# Altium PCB PCB2.PcbDoc (part 2 of 4)
Units mil, origin at the board's own origin, x right, y up, seen from the top; angles counter-clockwise.
Board outline 8413.39 x 5625.98 mil, 6 copper layers (Top Layer, GND1, Misc, Power, GND2, Bottom Layer), stack 60.93 mil thick; 263 components, 224 nets, 1651 pads, 1073 vias.
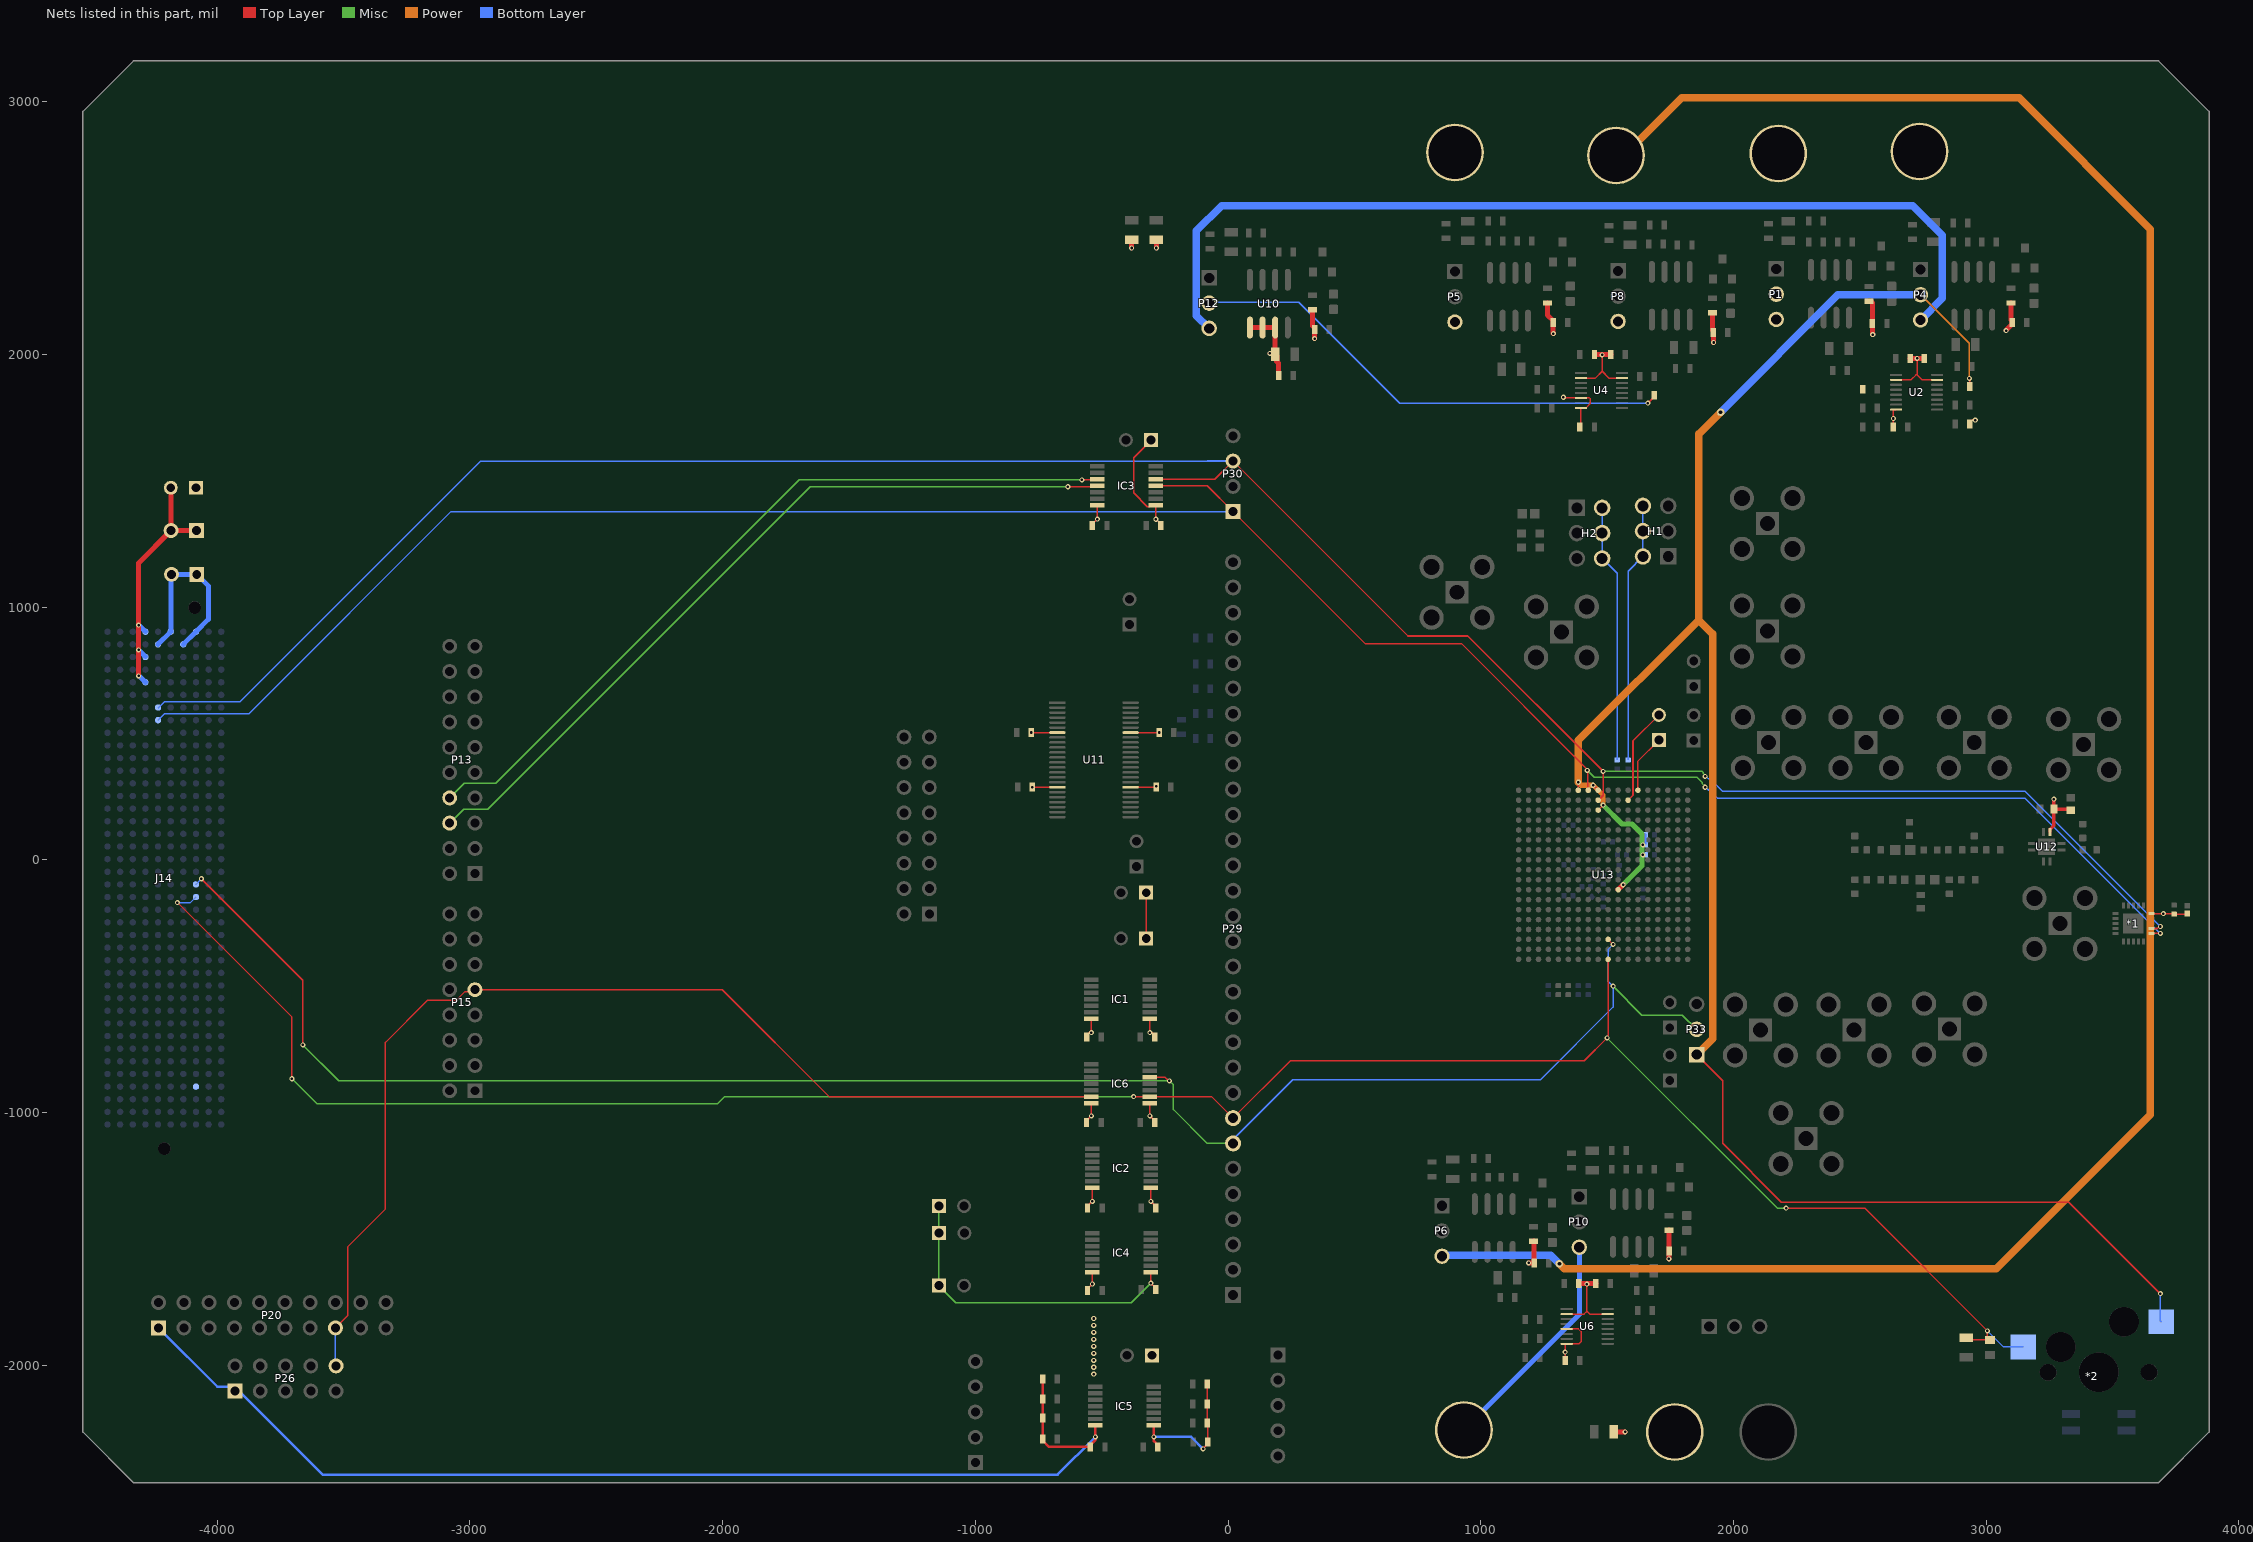
[diagram p6: the nets of this part, all layers, seen from the top]

## Part data
*1: library part CMP-005-000000-2, "Absorptive SPDT, SMT Solid State", Manufacturer=Mini-Circuits, Design Item ID=HSWA2-63DR+, Manufacturer Part Number=HSWA2-63DR+, Pricing 1="1=5.16000, 10=4.61000, 50=4.15000, 100=3.72000, 1000=2.18000, 10000=2.18000 (USD)", RoHS=Yes, RoHS Compliant=Yes, Source=Schlib1.SchLib, Stock 1=1789, U10=HSWA2-63DR+
*2: library part CMP-00028-00007-1
C1 C2 C3 C4 C5 C6 C7 C8 C9 C10 C11 C12 C16 C17 C18 C19 C20 C21 C22 C26 C27 C28 C29 C30 C34 C35 C36 C37 C38 C42 C43 C44 C45 C46 C50 C51 C52 C53 C54 C55 C56 C57 C58 C59 C60 C61 C62 C63 C64 C65 C66 C67 C68 C69 C70 C71 C72 C73 C74 C75 C81: "Capacitor", LatestRevisionDate=17-Jul-2002, LatestRevisionNote="Re-released for DXP Platform.", PackageDescription="Radial Cap, Thru-Hole; 2 Leads; 0.3 in Pin Spacing", PackageReference=RAD-0.3, Published=8-Jun-2000, Publisher="Altium Limited"
C13 C23 C31 C39 C47: library part CMP-001-00061-3, "Chip Capacitor, 100nF +/-20%, 10V, 0402, Thickness 0.6 mm", Case/Package=0402, Max Operating Temperature=85°C, Min Operating Temperature=-55°C, Tolerance=20%, Voltage Rating=10V, Mounting Technology=SMT, Pins=2
C14 C24 C32 C40 C48: library part CMP-001-00063-3, "Chip Capacitor, 1µF +/-20%, 10V, 0402, Thickness 0.6 mm", Case/Package=0402, Max Operating Temperature=85°C, Min Operating Temperature=-55°C, Tolerance=10%, Voltage Rating=10V, Mounting Technology=SMT, Pins=2
C15 C25 C33 C41 C49: library part CMP-001-00074-3, "Chip Capacitor, 10µF +/-40%, 6.3V, 0402, Thickness 0.6 mm", Case/Package=0402, Max Operating Temperature=85°C, Min Operating Temperature=-55°C, Tolerance=10%, Voltage Rating=6.3V, Mounting Technology=SMT, Pins=2
C76: library part CMP-001-00001-6, "Chip Capacitor, 0.1 uF, +/- 5%, 16 V, 0402 (1005 Metric)", Capacitor Type=Ceramic, Case/Package=0402, Max Operating Temperature=125°C, Min Operating Temperature=-55°C, Tolerance=5%, Voltage Rating=16V, Mounting Technology=SM, Pins=2, RoHS Compliant=True
C77: library part CMP-001-00073-3, "Chip Capacitor, 22pF +/-10%, 50V, 0402, Thickness 0.6 mm", Case/Package=0402, Max Operating Temperature=85°C, Min Operating Temperature=-55°C, Tolerance=10%, Voltage Rating=50V, Mounting Technology=SMT, Pins=2
C78: library part CMP-2000-06091-2, "Cap Ceramic 1nF 50V X7R ±10% Pad SMD 0603 +125°C T/R", Case Code (Imperial)=0603, Case Code (Metric)=1608, Dielectric=X7R, Max Operating Temperature=125°C, Min Operating Temperature=-55°C, Package Quantity=1, Tolerance=10%, Voltage=50V, Capacitance=1nF, Case/Package=0603, Contact Plating=Tin, Depth=0.8mm, Height=0.8mm, Lead Free="Lead Free", Length=1.6mm, Material=Ceramic, Mount="Surface Mount", Packaging="Tape and Reel", Radiation Hardening=No, Thickness=0.035inch, Voltage Rating=50V, Voltage Rating (DC)=50V, Width=0.031inch
C79: library part CMP-2006-04578-1, Manufacturer="AVX Interconnect / Elco", Part Number=06031A5R1CAT2A
C80: library part CMP-2006-03975-1, Manufacturer="AVX Interconnect / Elco", Part Number=ML03V13R6BAT2A
C82: library part CMP-001-00017-6, "Chip Capacitor, 100 nF, +/- 10%, 50 V, 0603 (1608 Metric)", Capacitor Type=Ceramic, Case/Package=0603, Max Operating Temperature=125°C, Min Operating Temperature=-55°C, Tolerance=10%, Voltage Rating=50V, Mounting Technology=SM, Pins=2, RoHS Compliant=True
D1 D2 D3 D4 D5 D6 D7: library part CMP-022-000000-2, "White LED Indication - Discrete 2.93V 0603 _1608 Metric_", Package="0603 Lite-On", Availability=Unavailable, Component Type=Standard, Design Item ID=LTW-C191DS5, MF="Lite-On Inc.", MP=LTW-C191DS5, Pin Count=2, Price=None, SnapEDA_Link=https://www.snapeda.com/parts/LTW-C191DS5/Lite-On%20Inc./view-part/199753/?ref=snap, Source=SnapEDAsch.SchLib
H1 H2: library part CMP-1502-01072-1, "THT Vertical Pin Header WR-PHD, Pitch 2.54 mm, Dual Row, 6 pins", Contact Resistance=20mOhm, Manufacturer="Wurth Elektronik", Operating Temperature=-40to105degC, Rated Current=3A, Withstanding Voltage=500VAC, Working Voltage=250VAC, Datasheet URL=https://katalog.we-online.de/em/datasheet/6130xx21121.pdf, Gender=Male, Manufacturer URL=http://www.we-online.de, Mounting Technology=THT, Orientation=Vertical, Package Reference=61300621121, Packaging=Bag, Part Number=61300621121, Pin Number=6, Pitch=2.54mm, Publisher=WurthElektronik, Row Number=Dual
IC1 IC2 IC3 IC4 IC5 IC6: library part CMP-016-000005-1, "Automotive 4-Bit Bidirectional Multi-Voltage Level Translator for Open-Drain or Push- Pull Interface", Manufacturer_Name="Texas Instruments", Mouser Part Number=595-LSF0204QPWRQ1, Arrow Part Number=LSF0204QPWRQ1, Arrow Price/Stock=https://www.arrow.com/en/products/lsf0204qpwrq1/texas-instruments?region=nac, Datasheet Link=http://www.ti.com/lit/gpn/lsf0204-q1, Design Item ID=LSF0204QPWRQ1, Height=1.2mm, Manufacturer_Part_Number=LSF0204QPWRQ1, Mouser Price/Stock=https://www.mouser.co.uk/ProductDetail/Texas-Instruments/LSF0204QPWRQ1?qs=w%2Fv1CP2dgqqt88p%2F1xId1A%3D%3D, Source=SamacSys.SchLib
J1 J2 J3 J4 J5 J6 J7: library part CMP-1672-00007-5, "Non-Insulated Jack, Through Hole, RoHS, Bulk", Manufacturer=Keystone, ComponentLink1Description="Manufacturer URL", ComponentLink1URL=http://www.keyelco.com/, ComponentLink2Description=Datasheet, ComponentLink2URL=http://www.keyelco.com/product-pdf.cfm?p=2379, DatasheetVersion="Rev. B, 11/1994", Mounting Technology="Through Hole", PackageDescription="1-Pin Through Hole Device, Dia 7.92 mm", PackageReference=575-8
J8 J9 J10 J11 J12 J13 J15 J16 J17 J18 J19 J20 J21: library part CMP-42753-000002-1, "CONN SMA JACK STR 50 OHM PCB"
J14: library part CMP-013-000000-2, "Board-To-Board Connector, Vita 57 XMC, ASP Series, Surface Mount, Header, 400, 1.27 mm", Package=None, Availability=Unavailable, Component Type=Standard, Design Item ID=ASP-134488-01, MP=ASP-134488-01, Pin Count=400, Price=None, Source=ASP-134488-01.SchLib
L1: library part CMP-06042-009861-1, "Multilayer type RF Inductor 3.3nH ±0.3nH 0.12Ω 1000mA 0603", Case Code (Imperial)=0603, Case Code (Metric)=1608, Current Rating=500mA, DC Resistance (DCR)=150mR, Max Operating Temperature=85°C, Min Operating Temperature=-55°C, Package Quantity=4000, Self Resonant Frequency=6GHz, Test Frequency=100MHz, Case/Package=0603, Core Material=Air, DC Current=500mA, Depth=0.95mm, Height=0.8mm, Height - Seated (Max)=0.037inch, Inductance=3.3nH, Lead Free="Lead Free", Length=1.6mm, Max DC Current=500mA, Military Standard=Not, Mount="Surface Mount", Packaging="Tape and Reel", Q Factor=12, Radiation Hardening=No, REACH SVHC="No SVHC", Shielding=Unshielded, Termination=SMD/SMT, Width=0.8mm
L2: library part CMP-06042-003914-1, "Wire Wound RF Inductor 5.6nH ±0.5nH 750mA 0.082Ω 0603 (1608)", Case Code (Imperial)=0603, Case Code (Metric)=1608, Current Rating=750mA, DC Resistance (DCR)=82mR, Inductance=5.6nH, Max Operating Temperature=125°C, Min Operating Temperature=-55°C, Package Quantity=4000, Resistor Type=Wirewound, Self Resonant Frequency=6GHz, Test Frequency=100MHz, Case/Package=0603, Core Material=Non-Magnetic, DC Current=750mA, Depth=1mm, Height=0.8mm, Height - Seated (Max)=0.039inch, Lead Free="Lead Free", Length=1.6mm, Max DC Current=750mA, Military Standard=Not, Mount="Surface Mount", Number of Pins=2, Packaging="Tape and Reel", Q Factor=35, Radiation Hardening=No, REACH SVHC="No SVHC", Shielding=Unshielded, Termination=SMD/SMT, Weight=0.000106oz, Width=0.8mm
L3: library part CMP-06042-010111-1, "Multilayer type RF Inductor 3.9nH ±0.3nH 0.15Ω 900mA 0603", Case Code (Imperial)=0603, Case Code (Metric)=1608, Current Rating=450mA, DC Resistance (DCR)=150mR, Max Operating Temperature=85°C, Min Operating Temperature=-55°C, Package Quantity=4000, Self Resonant Frequency=6GHz, Test Frequency=100MHz, Case/Package=0603, Core Material=Air, DC Current=450mA, Depth=0.95mm, Height=0.8mm, Height - Seated (Max)=0.037inch, Inductance=3.9nH, Lead Free="Lead Free", Length=1.6mm, Max DC Current=450mA, Military Standard=Not, Mount="Surface Mount", Packaging="Tape and Reel", Q Factor=12, Radiation Hardening=No, REACH SVHC="No SVHC", Shielding=Unshielded, Termination=SMD/SMT, Width=0.8mm
P1 P3 P4 P5 P6 P8 P10 P12 P33: library part CMP-1676-00001-5, "Male Header, Pitch 2.54 mm, 1 x 3 Position, Height 8.38 mm, Tail Length 3.18 mm, RoHS, Bulk", Colour=Black, Current Rating="4 A", Manufacturer=Molex, Max Operating Temperature="75 degC", Min Operating Temperature="0 degC", Package Quantity=1, Voltage Rating="250 V", ComponentLink1Description="Manufacturer URL", ComponentLink1URL=http://www.molex.com/, ComponentLink2Description=Datasheet, ComponentLink2URL=http://www.molex.com/pdm_docs/sd/022284033_sd.pdf, Contact Finish=Gold, Contact Material=Brass, Contact Plating=Gold, DatasheetVersion="Rev. G, 01/2012", Height="8.38 mm", Lead Pitch="0.1 inch", Length="7.62 mm", Mount="Through Hole", Mounting Technology="Through Hole", PackageDescription="Male Header, Pitch 2.54 mm, 1 x 3 Position, Height 8.38 mm, Tail Length 3.18 mm", PackageReference=22-28-4033, Packaging=Bulk, Pins=3, REACH SVHC=Unknown, RoHSCompliant=true, Rows=1
P2 P7 P9 P11 P16 P17 P18 P19 P21 P22 P25 P27 P28 P34 P35: library part CMP-2000-07492-1, "Male Header, Pitch 2.54 mm, 1 x 2 Position, Height 8.21 mm, Tail Length 3.05 mm, -65 to 105 degC, RoHS, Bulk", Case\/Package=100, Colour=Black, Current Rating=3A, Flammability Rating=UL94V-0, High Temperature Housing=Yes, Manufacturer="TE Connectivity", Max Current Rating=5A, Max Operating Temperature=105degC, Min Operating Temperature=-65degC, Package Description="Male Header, Pitch 2.54 mm, 1 x 2 Position, Height 8.21 mm, Tail Length 3.05 mm", Package Quantity=500, Approvals=CSA, Board Standoff=No(Without), Connector Type=Header, Contact Gender=Male, Contact Material=CopperAlloy, Contact Mating Length=0.23inch, Contact Plating=Matte, Contact Protection=No(Without), Contact Shape=Square, Datasheet URL=http://www.te.com/commerce/DocumentDelivery/DDEController?Action=showdoc&DocId=Customer+Drawing%7F146280%7FH1%7Fpdf%7FEnglish%7FENG_CD_146280_H1.pdf%7F5-146280-2, Datasheet Version="Rev. H1, 08/2016", Depth=2.34mm, Gasket=No(Without), High Speed Serial Data Connector=No, Housing Colour=Black, Housing Material=Polymer, Keyed=No, Length=4.67mm, Manufacturer URL=http://www.te.com/, Mating Alignment=No(Without), Mating Connector Lock=No(Without), Mating Post Length=0.23inch, Mount=ThroughHole, Mounting Technology=ThroughHole, Number Of Contacts=2, Number of Positions=2, Number Of Rows=1, Orientation=Straight, Package Reference=5-146280-2, Packaging=Carton, Panel Mount Retention=No(Without), PCB Mount Retention=Without, PCB Mounting Orientation=Vertical, PCB Thickness=0.063inch, Pitch=2.54mm, Radiation Hardening=No, RoHSCompliant=true, Row Spacing=2.54mm, Selectively Loaded=No(Without), Stabilizers=No(Without), Termination=ThroughHole, Termination Post Length=0.12inch
P13 P20: "Header, 10-Pin, Dual row", LatestRevisionDate=17-Jul-2002, LatestRevisionNote="Re-released for DXP Platform.", Publisher="Altium Limited"
P14 P15: "Header, 8-Pin, Dual row", LatestRevisionDate=17-Jul-2002, LatestRevisionNote="Re-released for DXP Platform.", Publisher="Altium Limited"
P23 P24: "Header, 5-Pin", LatestRevisionDate=17-Jul-2002, LatestRevisionNote="Re-released for DXP Platform.", Publisher="Altium Limited"
P26: "Header, 5-Pin, Dual row", LatestRevisionDate=17-Jul-2002, LatestRevisionNote="Re-released for DXP Platform.", Publisher="Altium Limited"
P29: "Header, 30-Pin", LatestRevisionDate=17-Jul-2002, LatestRevisionNote="Re-released for DXP Platform.", Publisher="Altium Limited"
P30: "Header, 4-Pin", LatestRevisionDate=17-Jul-2002, LatestRevisionNote="Re-released for DXP Platform.", Publisher="Altium Limited"
P31 P32: "Header, 2-Pin", LatestRevisionDate=17-Jul-2002, LatestRevisionNote="Re-released for DXP Platform.", Publisher="Altium Limited"
Q1 Q2 Q3 Q4 Q5 Q6 Q7: library part CMP-2000-04935-2, "MOSFET N-CH 25V 220MA SOT-23", Continuous Drain Current=0.22A, Drain To Source Breakdown Voltage=25V, Drain To Source Resistance=3.1Ω, Gate To Source Voltage=8V, Input Capacitace At Vds="9.5pF @ 10V", Manufacturer="ON Semiconductor", Max Forward Diode Voltage=1.2V, Max Junction Temp=+150°C, Package=318-08, Power Dissipation=0.35W, Temperature="-55°C to +150°C", Temperature Range Low=-55°C, Typ Forward Diode Voltage=0.8V, Automotive=No, Category=Trans, ComponentLink2Description=Datasheet, ComponentLink2URL=https://www.onsemi.com/pub/Collateral/FDV301N-D.PDF, Depletion Mode=False, Device Class L1="Discrete Semiconductors", Device Class L2=Transistors, Device Class L3=MOSFETs, Digikey Description="MOSFET N-CH 25V 220MA SOT-23", Drain To Source Voltage=25V, Footprint Url=https://www.onsemi.com/pub/Collateral/318-08.PDF, Gate Charge At Vgs="0.49nC @ 4.5V", Height=1.11mm, Ipc Land Pattern Name=SOT95P240X100-3, Lead Free=Yes, Manufacturer Part Number=FDV301N, Mouser Description="MOSFET N-Ch Digital", Number Of Channels=1, Number Of N Channels=1, Octopart=https://octopart.com/fdv301n-on+semiconductor-84326713, RoHS=TRUE, Rthja Max=357°C/W, Standoff Height=0.01mm, Temperature Range High=+150°C, Threshold Vgs Max=1.06V, Threshold Vgs Min=0.7V, Transconductance=0.2S, Turn Off Delay Time=3.5ns, Turn On Delay Time=3.2ns
R1 R2 R3 R4 R5 R6 R7 R8 R9 R10 R11 R12 R13 R14 R15 R16 R17 R18 R19 R20 R21 R22 R23 R24 R25 R26 R27 R28 R29 R30 R31 R32 R33 R34 R35 R36 R37 R38 R39 R40 R41 R42 R43 R44 R45 R46 R47 R48 R49 R50 R51 R52 R53 R54 R55: "Resistor", LatestRevisionDate=17-Jul-2002, LatestRevisionNote="Re-released for DXP Platform.", PackageDescription="Axial Device, Thru-Hole; 2 Leads; 0.3 in Pin Spacing", PackageReference=AXIAL-0.3, Published=8-Jun-2000, Publisher="Altium Limited"
R56: library part CMP-2000-04014-1, Manufacturer=Yageo, Part Number=RC0603FR-0733R2L
R57 R59 R60 R61 R62 R63 R64 R65 R66 R67 R68: library part CMP-009-00063-2, "Jumper 0603 (1608 Metric)", Case/Package=0603, Mounting Technology=SMT, Pins=2
R58: library part CMP-02407-012292-2, "RES 0 OHM JUMPER 1/10W 0603", Case/Package=Molded, Max Operating Temperature=155°C, Min Operating Temperature=-55°C, Power Rating=100mW, Resistance=22R, Resistor Type="Thick Film", Contact Plating=Tin, Lead Free="Lead Free", Length=1.55mm, Mount="Surface Mount", RoHS Compliant=Yes, Termination=Wraparound
R69 R70 R71 R72 R73 R74: library part DISCRETE_R, "0 0603"
R75: library part CMP-009-00017-5, "Chip Resistor, 10 KOhm, +/- 1%, 01 W, -55 to 155 degC, 0603 (1608 Metric)", Case/Package=0603, Max Operating Temperature=155°C, Min Operating Temperature=-55°C, Power=100mW, Tolerance=1%, Voltage Rating=50V, Mounting Technology=SM, Pins=2, RoHS Compliant=True
R76 R77 R78 R79 R80 R81 R82 R83 R84: library part CMP-009-00062-2, "Jumper 0402 (1005 Metric)", Case/Package=0402, Mounting Technology=SMT, Pins=2
U1 U3 U5 U7 U8 U9 U10: library part CMP-0136-00180-1, "1A, Low Voltage, Low Quiescent Current LDO Regulator, 8-Pin SOIC 150mil, Extended Temperature", Code_IPC=SOIC127P600-8, Code_JEDEC=MS-012, DatasheetVersion="revC, Aug-2007", PackageDescription="8-Lead Plastic Small Outline (SN) - Narrow, 3.90mm Body [SOIC]", PackageReference=SOIC-SN8, PackageVersion="revBB, Aug-2009"
U2 U4 U6: library part CMP-09131-000077-1, "IC PWR MONITOR DUAL WIDE 16MSOP", RoHS Compliant=Yes
U11: library part CMP-04899-000056-1, "IC TRNSLTR BIDIRECTIONAL 48TSSOP", Case/Package=TSSOP, High Level Output Current=-12mA, Low Level Output Current=12mA, Max Operating Temperature=85°C, Max Supply Voltage=3.6V, Min Operating Temperature=-40°C, Min Supply Voltage=1.2V, Package Quantity=1, Contact Plating=Gold, Data Rate=380Mbps, Direction=Bidirectional, Height=1.05mm, Lead Free="Lead Free", Length=12.6mm, Logic Function=Translator, Mount="Surface Mount", Number of Bits=16, Number Of Channels=2, Number of Elements=2, Number of Pins=48, Packaging="Tape and Reel", Polarity=Non-Inverting, Propagation Delay=2.7ns, Radiation Hardening=No, REACH SVHC="No SVHC", RoHS Compliant=Yes, Turn-On Delay Time=5ns, Weight=0.007873oz, Width=6.2mm
U12: library part CMP-003-000000-2, "RF Amp Single MMIC Amp 2.5GHz 5V 8-Pin Case DQ-849 T/R", Manufacturer=Mini-Circuits, Category="RF Amplifiers", Design Item ID=MNA-6A+, Manufacturer Part Number=MNA-6A+, Pricing 1="1=5.10000, 10=4.55800, 50=4.10220, 100=3.73760, 500=3.02652, 1000=2.55248 (USD)", RoHS=Yes, RoHS Compliant=Yes, Source=Schlib1.SchLib, Stock 1=29769, U11=MNA-6A+
U13: library part SCuM-V-2, "SCuM-V chip from Sp22 Tapeout class"
Y1: library part CMP-40224-000047-1, "XTAL OSC XO 16MHZ CMOS SMD"

## Via types
v1: diameter 30, hole 15, Top Layer to Bottom Layer, 676 vias
v2: diameter 20, hole 10, Top Layer to Bottom Layer, tented both sides, 395 vias
v3: diameter 30, hole 15, Top Layer to Bottom Layer, tented both sides, 2 vias

## Nets (pads, with @x,y where several pads share a name; then routed paths per layer and width w, separated by ;. In a path a pad name is that pad's centre, name@x,y a point inside that pad or via, vN(x,y) a via of type N, cw(c..) or ccw(c..) an arc to the next point about the centre after c; other vN are vias at no path point)
1V8_DUT: *2.1 C13.1 C14.1 C15.1 P4.2 P33.1 R1.1 U13.7 U13.9 U13.45 U13.191 | length 8130.3
  Top Layer w5: P33.1@1854.33,-770.87 1956.69,-873.23 1956.69,-1122.05 2188.98,-1354.33 3326.77,-1354.33 v2(3688.98,-1716.54) ; v2(2933.07,1905.51) 2935.43,1903.15 R1.1@2935.43,1874.02
  Top Layer w6: U13.7@1385.83,275.59 v2(1385.83,307.09) ; v2(1444.88,295.28) U13.9@1464.57,275.59 ; U13.45@1464.57,196.85 v2(1484.25,216.54)
  Top Layer w20: U13.191@1543.31,-118.11 v2(1562.99,-98.43)
  Misc w20: v2(1484.25,216.54) 1559.06,141.73 1598.43,141.73 1637.8,102.36 1637.8,-23.62 v2(1562.99,-98.43)
  Power w5: P4.2@2740.16,2236.22 2933.07,2043.31 v2(2933.07,1905.51)
  Power w20: v2(1385.83,307.09) 1385.83,306.99 1397.54,295.28 v2(1444.88,295.28) 1484.25,255.91 v2(1484.25,216.54)
  Power w30: v2(1385.83,307.09) 1385.83,472.44 1862.2,948.82 ; P33.1@1854.33,-770.87 1917.32,-707.87 1917.32,893.7 1862.2,948.82 ; v3(1948.82,1771.65) 1944.88,1767.72 1862.2,1685.04 1862.2,948.82
  Bottom Layer w6: v2(3688.98,-1716.54) 3688.98,-1824.02 *2.1@3692.52,-1827.56
  Bottom Layer w10: v2(1641.73,59.06) 1647.15,64.47 1651.16,64.47 1651.57,64.88 C14.1@1651.57,98.43
  Bottom Layer w30: v3(1948.82,1771.65) 2413.39,2236.22 P4.2@2740.16,2236.22
  other v2: 1641.73,19.69
1V8_IO: C60.2 C61.1 C65.1 C67.1 C69.1 C71.1 C72.2 C74.1 IC1.1 IC2.1 IC3.1 IC4.1 IC5.1 IC6.1 P12.2 P17.1 P19.1 P21.1 P22.1 P25.1 P27.1 P28.1 R15.1 R48.2 R49.2 R50.2 R51.2 U11.31 U11.42 | length 4976.1
  Top Layer w5: U11.31@-385.83,287.4 -288.09,287.4 v2(-284.65,290.85) ; U11.42@-385.83,503.94 v2(-271.65,503.94) ; P17.1@-341.92,-110.84 -324.02,-128.74 P19.1@-324.02,-311.02 ; IC6.1@-315.89,-956.24 IC6.1@-309.53,-962.6 v2(-309.53,-1013.11) -290.16,-1032.48 C74.1@-290.16,-1039.37 ; IC4.1@-311.95,-1625.53 IC4.1@-305.59,-1631.89 v2(-305.59,-1674.53) -286.22,-1693.9 C71.1@-286.22,-1700.79 ; IC2.1@-311.95,-1290.89 IC2.1@-305.59,-1297.24 v2(-305.59,-1351.69) -286.22,-1371.06 C67.1@-286.22,-1377.95 ; IC1.1@-309.53,-627.95 v2(-309.53,-683.85) -307.81,-685.57 -298.48,-685.57 -290.16,-693.9 C65.1@-290.16,-700.79 ; P22.1@-304.33,1661.42 -374.02,1591.73 -374.02,1451.79 -319.51,1397.29 -312.34,1397.29 -306.08,1403.54 IC3.1@-285.91,1403.54 ; v2(-98.43,-2330.71) -98.43,-2328.15 -80.31,-2310.04 R51.2@-80.31,-2303.15 -80.31,-2229.53 R50.2@-81.5,-2228.35 R49.2@-81.5,-2153.54 R48.2@-81.5,-2074.8 R48.2@-89.82,-2066.48 ; v2(1661.42,1807.09) 1661.61,1807.09 1686.22,1831.69 R15.1@1686.22,1838.58
  Top Layer w6: v2(-286.11,1347.89) -285.91,1348.09 IC3.1@-285.91,1403.54 ; v2@-285.91,1349.09 -266.54,1329.72 C69.1@-266.54,1322.83
  Top Layer w10: IC5.1@-297.64,-2234.33 IC5.1@-293.78,-2238.19 v2(-293.78,-2283.46) -293.78,-2300.51 -278.35,-2315.94 C72.2@-278.35,-2322.83
  Misc w5: P21.1@-1144.49,-1370.08 P25.1@-1144.49,-1685.04 -1077.56,-1751.97 -383.03,-1751.97 v2(-305.59,-1674.53)
  Bottom Layer w5: P12.2@-74.8,2203.15 -70.87,2207.09 279.53,2207.09 679.53,1807.09 v2(1661.42,1807.09)
  Bottom Layer w10: v2(-293.78,-2283.46) -145.67,-2283.46 v2(-98.43,-2330.71)
3.3V_Reg: R2.1
3V3: *1.20 C2.2 C12.2 C22.2 C62.2 C63.1 C64.2 C66.2 C68.2 C70.2 C73.2 C75.2 C76.1 C77.1 C78.1 IC1.14 IC2.14 IC3.14 IC4.14 IC5.14 IC6.14 P1.2 P20.1 P26.1 R3.1 R7.1 R11.1 R18.1 R21.1 R28.1 R31.1 R33.1 R35.1 R37.1 R39.1 R41.1 R43.1 R45.1 R47.1 R52.2 R53.2 R54.2 R55.2 R56.2 U2.8 U4.6 U4.8 U6.5 U6.8 U11.7 U11.18 U12.7 | length 6959.9
  Top Layer w5: v2(-778.35,503.94) U11.7@-675.23,503.94 ; v2(-774.41,287.4) U11.18@-675.23,287.4 ; C75.2@-560.24,-1039.37 -560.24,-1032.48 v2(-540.87,-1013.11) IC6.14@-540.87,-962.6 ; C64.2@-559.06,-700.79 -559.06,-693.9 v2@-544.94,-679.78 ; C70.2@-556.3,-1704.72 -556.3,-1697.83 v2(-536.93,-1678.46) IC4.14@-536.93,-1631.89 ; C66.2@-556.3,-1377.95 -556.3,-1371.06 v2(-536.93,-1351.69) IC2.14@-536.93,-1297.24 ; v2(-540.87,-683.85) v2@-544.94,-679.78 ; IC1.14@-540.87,-627.95 -540.87,-675.71 v2@-544.94,-679.78 ; C68.2@-536.61,1322.83 -536.61,1329.72 -518.24,1348.09 v2(-517.24,1348.09) ; v2@-517.24,1349.09 IC3.14@-517.24,1403.54 ; *1.20@3653.54,-212.6 3654.53,-213.58 3743.11,-213.58 C77.1@3744.09,-214.57 3792.91,-214.57 C76.1@3795.28,-212.2
  Top Layer w6: v2(1326.77,1830.71) 1329.15,1828.33 1395.97,1828.33 U4.6@1396.42,1827.87 1430.05,1827.87 1433.56,1824.36 1433.56,1805.41 1416.66,1788.5 U4.8@1396.42,1788.5 1396.42,1716.5 C12.2@1392.52,1712.6 ; C22.2@1333.46,-1980.31 v2(1333.46,-1948.38) 1333.46,-1916.45 1334.56,-1915.35 U6.8@1340.16,-1915.35 1387.8,-1915.35 1397.64,-1905.51 1397.64,-1866.14 1387.8,-1856.3 U6.5@1340.16,-1856.3 ; C2.2@2632.68,1712.6 v2(2632.68,1746.5) 2632.68,1780.4 2633.77,1781.5 U2.8@2643.31,1781.5 ; R3.1@2934.25,1724.41 2934.25,1731.3 2942.08,1739.13 2955.66,1739.13 v2(2956.69,1740.16)
  Top Layer w10: R55.2@-733.46,-2055.12 R54.2@-733.46,-2133.86 R53.2@-733.46,-2208.66 R52.2@-733.46,-2291.34 -733.46,-2298.23 -708.86,-2322.83 C73.2@-544.49,-2322.83 -544.49,-2315.94 -525.12,-2296.57 v2(-525.12,-2283.46) IC5.14@-525.12,-2238.19
  Top Layer w12.82: U12.7@3251.97,110.24 3251.97,118.88 3267.72,134.62 R56.2@3267.72,199.8 ; v2(3267.72,240.16) R56.2@3267.72,200.79 3268.7,199.8 3321.85,199.8 C78.1@3322.83,198.82
  Top Layer w20: R45.1@334.65,2175.98 334.65,2113.19 342.52,2105.32 R47.1@342.52,2098.43 v2(342.52,2062.99) ; v2(1188.98,-1594.49) R35.1@1211.42,-1594.49 1211.42,-1509.88 1210.59,-1509.06 R33.1@1208.66,-1509.06 ; R28.1@1263.78,2203.54 1263.78,2155.31 1286.22,2132.87 R31.1@1286.22,2125.98 1286.22,2083.86 v2(1287.4,2082.68) ; v2(1744.09,-1578.74) 1744.84,-1577.99 1744.84,-1548.07 R43.1@1745.67,-1547.24 1745.67,-1540.35 1744.09,-1538.78 R41.1@1744.09,-1465.75 ; R37.1@1917.32,2164.17 1917.32,2096.26 1920.08,2093.5 R39.1@1920.08,2086.61 1920.08,2048.43 v2(1921.26,2047.24) ; R7.1@2535.43,2211.42 2542.32,2211.42 2550,2203.74 R11.1@2550,2122.05 2550,2079.92 v2(2551.18,2078.74) ; v2(3078.74,2094.49) 3078.74,2095.47 3102.36,2119.09 R21.1@3102.36,2125.98 3102.36,2132.87 3098.43,2136.81 R18.1@3098.43,2203.54
  Bottom Layer w10: P20.1@-4232.28,-1851.97 -4000,-2084.25 -3932.28,-2084.25 -3583.46,-2433.07 -674.72,-2433.07 v2(-525.12,-2283.46)
  other v2: -531.5,-2035.43 -531.5,-2007.87 -531.5,-1980.31 -531.5,-1952.76 -531.5,-1925.2 -531.5,-1897.64 -531.5,-1870.08 -531.5,-1842.52 -531.5,-1814.96 3700.79,-212.6
baseband_offChipMode_rx: *1.16 IC3.4 J14.E33 P30.1 U13.8 | length 9424.4
  Top Layer w6: IC3.4@-285.91,1480.32 -82.68,1480.32 P30.1@19.68,1377.95 543.31,854.33 925.2,854.33 1415.79,363.73 1415.79,363.59 1421.26,358.12 v2(1421.26,354.33) ; v2@1423.23,352.36 1423.23,277.56 U13.8@1425.2,275.59 ; *1.16@3653.54,-291.34 v2(3688.98,-291.34)
  Misc w6: v2(1421.26,354.33) 1448.82,326.77 1855.83,326.77 1875.7,306.9 1875.7,302.65 1887.32,291.03 v2(1887.32,287.4)
  Bottom Layer w6: J14.E33@-4234.25,552.76 -4208.66,578.35 -3874.41,578.35 -3074.8,1377.95 P30.1@19.68,1377.95 ; v2(1887.32,287.4) 1889.46,287.4 1901.83,275.03 1906.07,275.03 1937.01,244.09 3153.54,244.09 v2(3688.98,-291.34)
baseband_offChipMode_tx: *1.17 IC3.5 J14.E34 P30.3 U13.27 | length 9694
  Top Layer w6: IC3.5@-285.91,1505.91 -52.36,1505.91 P30.3@19.68,1577.95 711.81,885.83 948.82,885.83 v2(1484.25,350.39) 1484.25,255.91 U13.27@1464.57,236.22 ; *1.17@3653.54,-271.65 3677.31,-271.65 3685.19,-263.78 v2(3688.98,-263.78)
  Misc w6: v2(1484.25,350.39) 1875.89,350.39 1880.14,346.15 1880.14,341.68 1887.32,334.5 v2(1887.32,330.71)
  Bottom Layer w6: J14.E34@-4234.25,602.76 -4231.89,602.76 -4208.66,625.98 -3909.45,625.98 -2957.48,1577.95 P30.3@19.68,1577.95 19.29,1578.35 -82.28,1578.35 -82.68,1578.74 ; v2(1887.32,330.71) 1891.11,330.71 1901.51,320.31 1908.04,320.31 1956.69,271.65 3153.54,271.65 v2(3688.98,-263.78)
BG_V_REF: P34.2 U13.30 | length 388
  Top Layer w6: U13.30@1582.68,236.22 1602.36,255.91 1602.36,471.26 P34.2@1704.72,573.62
BG_V_REF_EXT: P34.1 U13.13 | length 232.3
  Top Layer w6: U13.13@1622.05,275.59 1622.05,390.95 P34.1@1704.72,473.62
BOOT_SEL: IC6.5 J14.H20 P29.7 P33.2 U13.280 | length 7268.7
  Top Layer w6: v2(-4062.99,-74.8) -3661.42,-476.38 v2(-3661.42,-732.28) ; IC6.5@-309.53,-860.24 -249.09,-860.24 -234.96,-874.37 v2(-232.11,-874.37) ; U13.280@1503.94,-314.96 v2(1523.62,-334.65)
  Misc w5: v2(1523.62,-500) 1637.8,-614.17 1797.64,-614.17 P33.2@1854.33,-670.87
  Misc w6: v2(-3661.42,-732.28) -3519.33,-874.37 v2(-232.11,-874.37) -216.54,-889.94 -216.54,-988.19 -82.68,-1122.05 P29.7@19.68,-1122.05
  Bottom Layer w6: J14.H20@-4084.25,-97.24 -4062.99,-75.98 v2(-4062.99,-74.8) ; P29.7@19.68,-1122.05 19.68,-1106.63 34.45,-1091.86 34.45,-1091.54 255.91,-870.08 1236.22,-870.08 1523.62,-582.68 v2(1523.62,-500) 1503.94,-480.31 1503.94,-354.33 v2(1523.62,-334.65)
clock_bypass_0: H1.2 H1.4 H1.6 R82.1 | length 1029.6
  Bottom Layer w5.63: R82.1@1582.68,395.67 1582.68,1141.73 H1.2@1641.73,1200.79 H1.4@1641.73,1300.79 H1.6@1641.73,1400.79
clock_bypass_1: H2.2 H2.4 H2.6 R80.1 | length 1021.7
  Bottom Layer w5.63: H2.2@1480.31,1392.91 H2.4@1480.31,1292.91 H2.6@1480.31,1192.91 1539.37,1133.86 R80.1@1539.37,395.67
CPU_RESET_3V3: IC6.13 P15.9 P20.15 P26.10 | length 4399.2
  Top Layer w6: P20.15@-3532.28,-1851.97 -3484.25,-1803.94 -3484.25,-1531.5 -3334.65,-1381.89 -3334.65,-722.58 -3167.19,-555.12 -3053.53,-555.12 -3021.19,-522.78 -2989.37,-522.78 P15.9@-2980.32,-513.72 -2002.02,-513.72 -1578.74,-937.01 IC6.13@-540.87,-937.01
  Bottom Layer w6: P26.10@-3532.28,-1984.25 P20.15@-3532.28,-1851.97
CPU_RESET_DUT: *2.2 C81.2 IC6.2 J14.H19 P29.8 R75.2 U13.316 | length 8985.8
  Top Layer w5: v2(3004.98,-1863.91) 3004.98,-1888.84 R75.2@3015.75,-1899.61
  Top Layer w6: v2(-4157.48,-169.29) -3704.72,-622.05 v2(-3704.72,-866.14) ; v2(-374.02,-937.01) IC6.2@-309.53,-937.01 -65.35,-937.01 P29.8@19.68,-1022.05 246.46,-795.28 1409.45,-795.28 v2(1500,-704.72) ; v2@1503.94,-697 U13.316@1503.94,-393.7 ; v2(2208.66,-1377.95) 2519.02,-1377.95 v2(3004.98,-1863.91) ; C81.2@2921.26,-1890.55 2930.31,-1899.61 R75.2@3015.75,-1899.61
  Misc w6: v2(-3704.72,-866.14) -3606.3,-964.57 -2019.15,-964.57 -1991.59,-937.01 v2(-374.02,-937.01) ; v2(1500,-704.72) 2173.23,-1377.95 v2(2208.66,-1377.95)
  Bottom Layer w6: v2(-4157.48,-169.29) -4106.3,-169.29 J14.H19@-4084.25,-147.24 ; v2(3004.98,-1863.91) 3068.63,-1927.56 *2.2@3147.24,-1927.56
DBB_OFF_CHIP_MODE_RX_3V3: IC3.11 P13.6 | length 3116.1
  Top Layer w5: v2(-633.86,1476.38) -521.18,1476.38 IC3.11@-517.24,1480.32
  Misc w5: P13.6@-3080.32,145.28 -3024.8,200.79 -2929.13,200.79 -1653.54,1476.38 v2(-633.86,1476.38)
DBB_OFF_CHIP_MODE_TX_3V3: IC3.10 P13.8 | length 3085.2
  Top Layer w5: v2(-578.74,1503.94) -519.21,1503.94 IC3.10@-517.24,1505.91
  Misc w5: P13.8@-3080.32,245.28 -3022.44,303.15 -2897.64,303.15 -1696.85,1503.94 v2(-578.74,1503.94)
DEBUG_CLK: J14.H4
Ext_1V: J6.1 P6.3 P8.3 | length 9007.7
  Power w5: J6.1@1535.43,2787.4 J6.1@1566.93,2787.4
  Power w30: v3(1311.02,-1598.43) 1330.71,-1618.11 3039.37,-1618.11 3649.61,-1007.87 3649.61,2496.06 3129.92,3015.75 1795.28,3015.75 J6.1@1566.93,2787.4
  Bottom Layer w30: P6.3@846.46,-1568.5 850.47,-1564.49 1277.09,-1564.49 v3(1311.02,-1598.43)
Ext_1V6: J4.1 P5.3
Ext_1V8: J3.1 P4.3 P12.3 | length 3820.6
  Bottom Layer w30: P12.3@-74.8,2103.15 -125.31,2153.66 -125.31,2488.86 -25.12,2589.06 2710.16,2589.06 2826.77,2472.44 2826.77,2222.83 P4.3@2740.16,2136.22
Ext_3V3: J2.1 P1.3
Ext_V85: J7.1 P10.3 | length 912
  Bottom Layer w20: J7.1@933.07,-2255.91 1389.76,-1799.21 P10.3@1389.76,-1533.07
Ext_VDD: C7.2 C8.2 C9.2 C55.2 C56.2 J1.1 P2.1 R5.2 R8.2 R17.2 R19.2 R27.2 R29.2 U2.2 U2.15 U4.2 U4.15 U6.2 U6.15 U10.1 U10.2 U10.3 | length 1385.8
  Top Layer w6: U6.2@1340.16,-1797.24 1408.51,-1797.24 1419.81,-1785.95 ; U4.2@1396.42,1906.61 1453.86,1906.61 1480.31,1933.07 ; v2(1419.81,-1678.62) 1419.81,-1785.95 ; v2(1480.31,1998.03) 1480.31,1933.07 ; U6.15@1502.36,-1797.24 1431.1,-1797.24 1419.81,-1785.95 ; U4.15@1558.62,1906.61 1506.77,1906.61 1480.31,1933.07 ; U2.2@2643.31,1899.61 2702.76,1899.61 2721.92,1918.77 2726.89,1918.77 ; v2(2726.97,1984.25) 2726.89,1984.18 2726.89,1918.77 ; U2.15@2805.51,1899.61 2746.06,1899.61 2726.89,1918.77
  Top Layer w20: v2(-381.89,2421.26) C8.2@-381.89,2453.54 ; v2(-283.46,2421.26) C9.2@-283.46,2453.54 ; U10.1@86.42,2106.3 U10.2@136.42,2106.3 U10.3@186.42,2106.3 186.12,2106 186.12,2000.3 C55.2@185.83,2000 ; v2(165.35,2003.94) 181.89,2003.94 C55.2@185.83,2000 ; C56.2@199.61,1917.32 199.61,1965.04 192.56,1972.09 192.56,1993.27 C55.2@185.83,2000 ; R27.2@1387.01,-1677.17 R29.2@1455.51,-1677.17 ; R17.2@1450,2000 R19.2@1514.57,2000 ; C7.2@1526.77,-2263.78 v2(1570.87,-2263.78) ; R5.2@2699.21,1984.25 v2(2726.97,1984.25) R8.2@2754.72,1984.25
FMC_1V8: J14.E39 J14.F40 J14.G39 J14.H40 P31.1 P31.2 | length 736.2
  Bottom Layer w20: J14.E39@-4234.25,852.76 J14.F40@-4184.25,902.76 -4182.68,904.33 -4182.68,1128.35 P31.2@-4181.1,1129.92 P31.1@-4081.1,1129.92 -4035.43,1084.25 -4035.43,951.57 J14.H40@-4084.25,902.76 J14.G39@-4134.25,852.76
FMC_3V3: J14.D36 J14.D38 J14.D40 P2.2 P32.1 P32.2 | length 1011.9
  Top Layer w20: v2(-4311.02,728.35) v2(-4311.02,830.71) v2(-4311.02,929.13) -4311.02,1174.8 P32.2@-4182.68,1303.15 ; P2.2@-4183.86,1472.44 -4183.27,1471.85 -4183.27,1303.74 P32.2@-4182.68,1303.15 ; P32.1@-4082.68,1303.15 P32.2@-4182.68,1303.15
  Bottom Layer w6: v2(-4311.02,728.35) v2@-4309.84,728.35 ; v2(-4311.02,929.13) v2@-4310.63,929.13 ; J14.D38@-4284.25,802.76 J14.D38@-4284.25,803.94
  Bottom Layer w20: v2(-4311.02,830.71) J14.D38@-4284.25,803.94 ; v2@-4310.63,929.13 J14.D40@-4284.25,902.76 ; v2@-4309.84,728.35 J14.D36@-4284.25,702.76